# Altium PCB 200330 PI-CANTROLLER R0.PcbDoc (part 1 of 2)
Units mil, origin at the board's own origin, x right, y up, seen from the top; angles counter-clockwise.
Board outline 3205.83 x 2221.58 mil, 2 copper layers (Top Layer, Bottom Layer); 58 components, 40 nets, 206 pads, 78 vias.
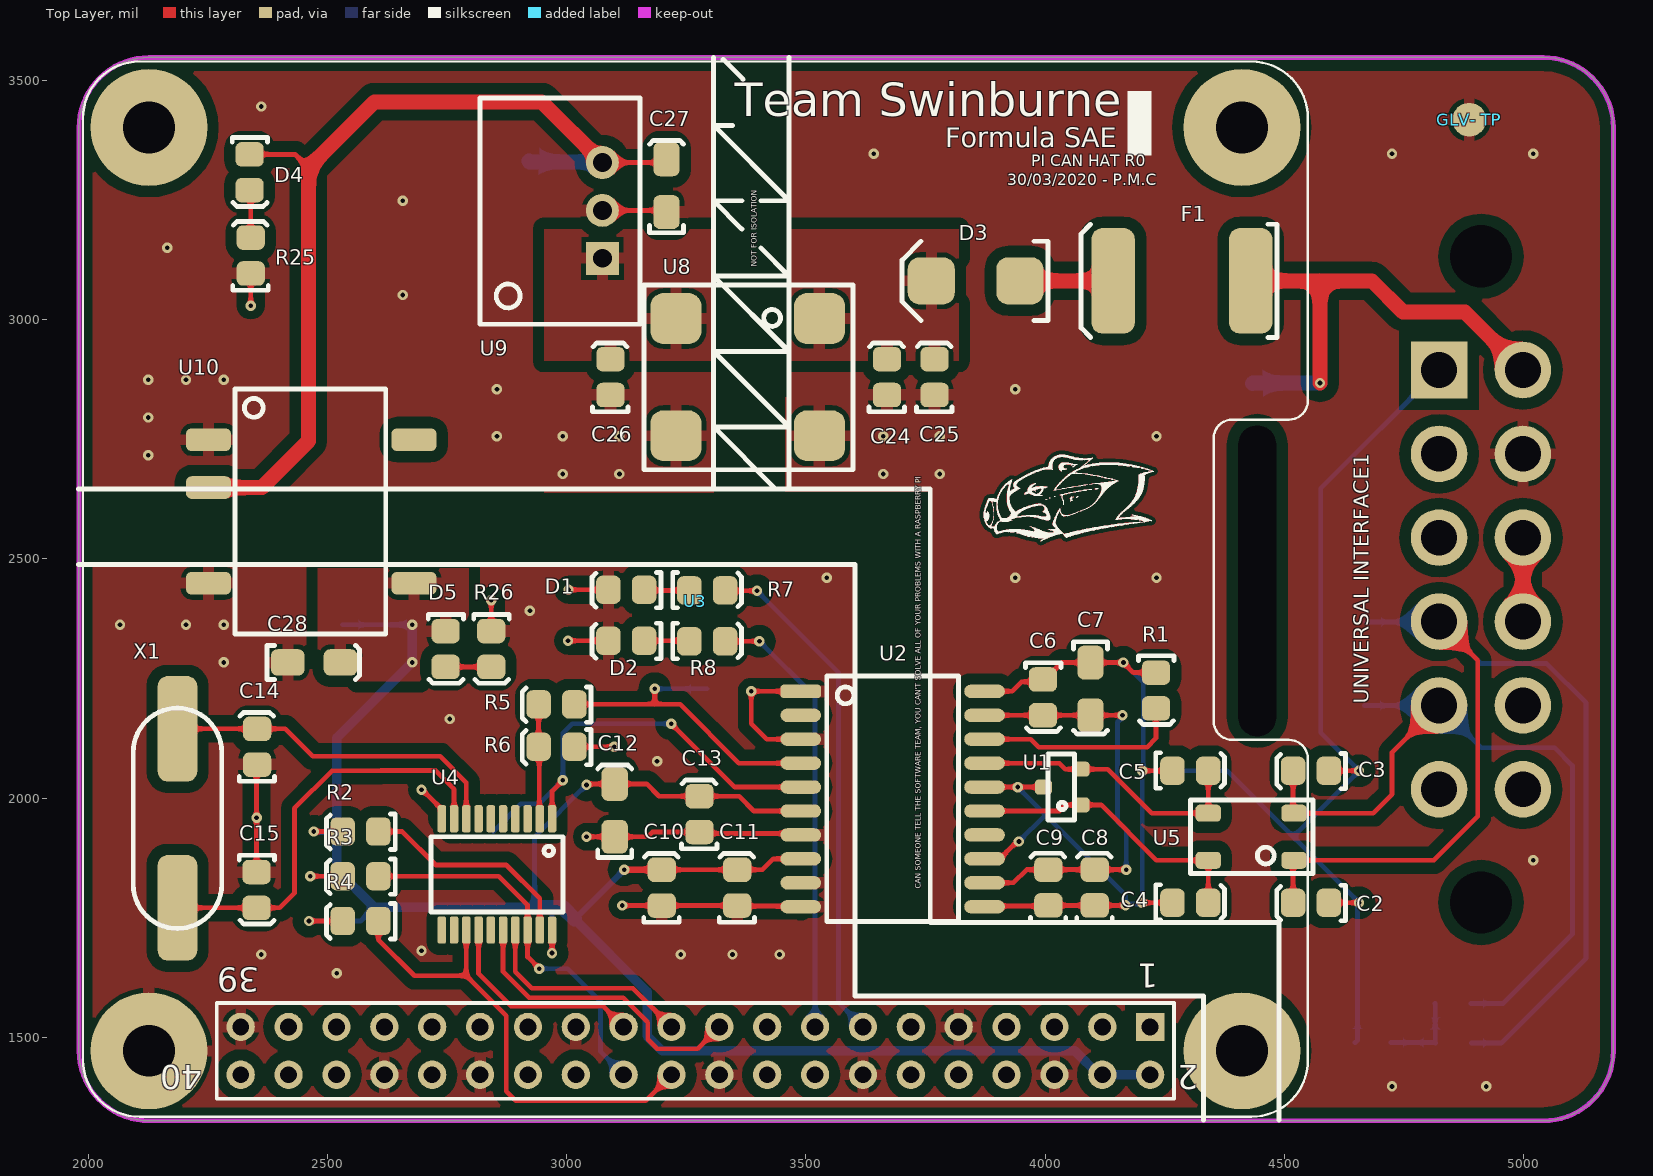
[diagram p0: Top Layer view]
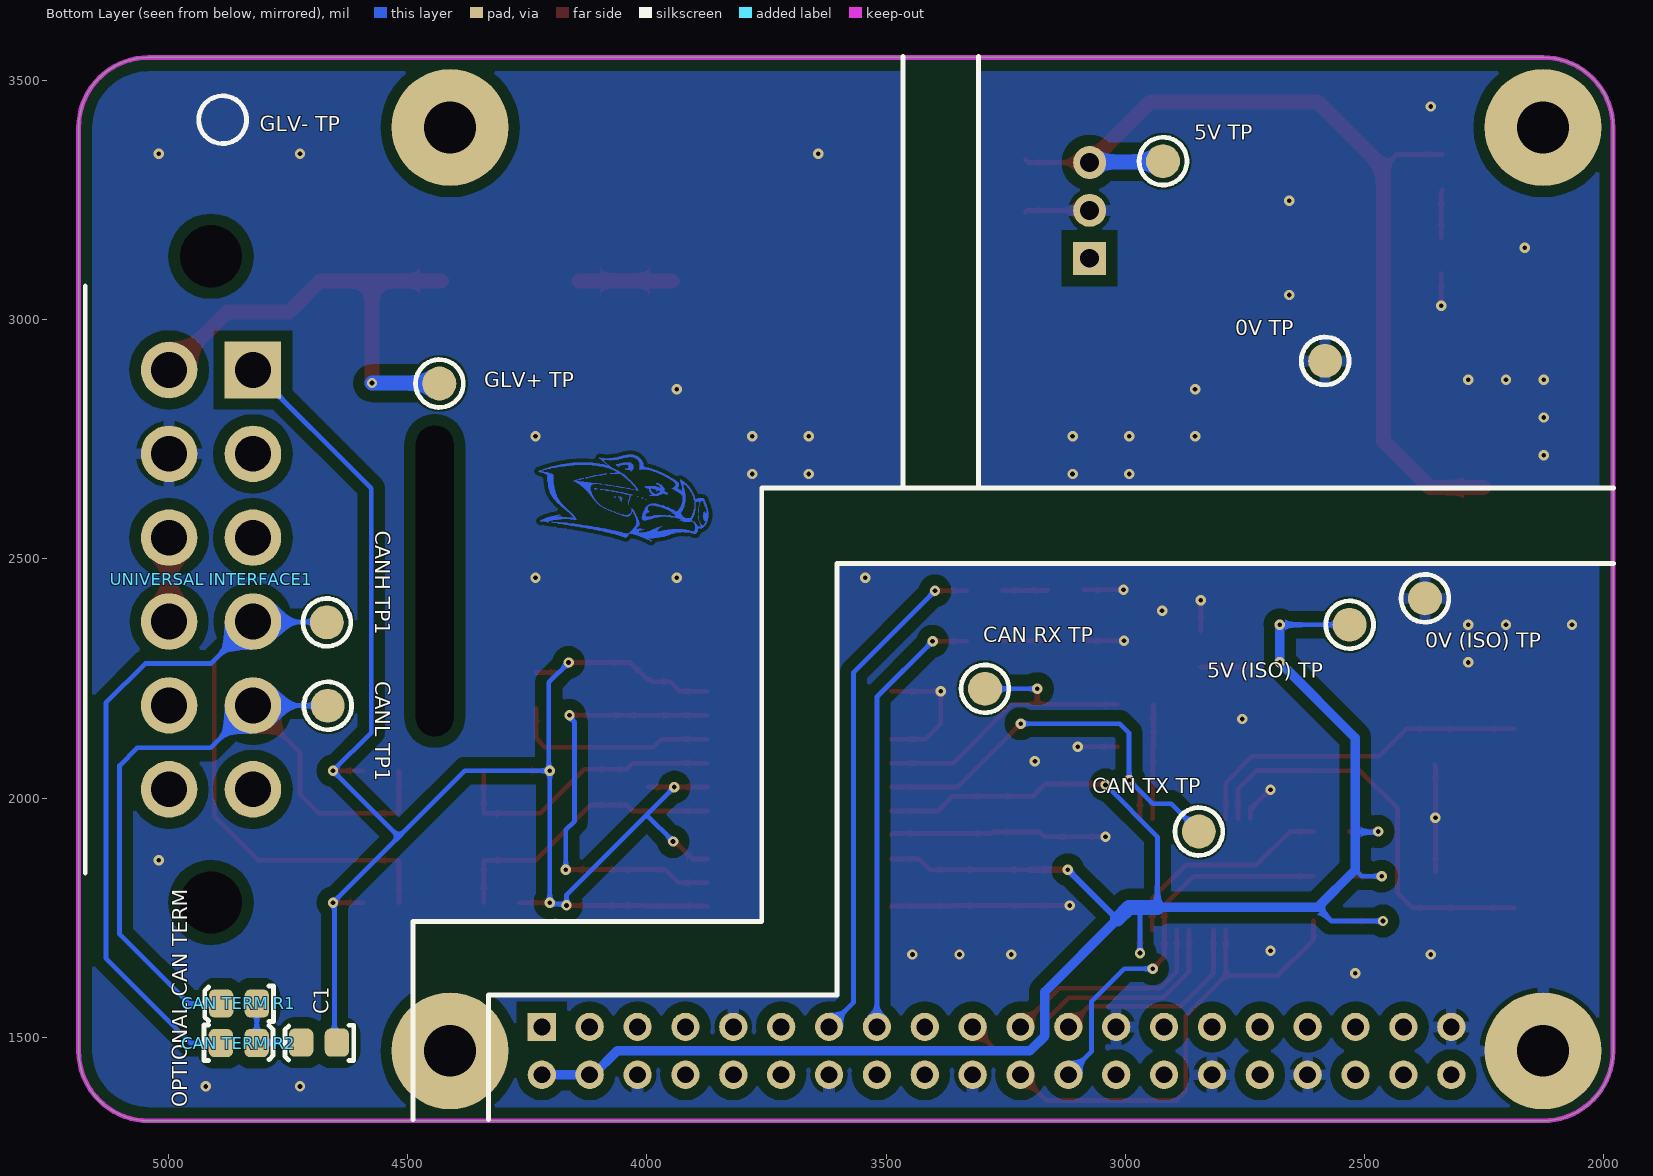
[diagram p1: Bottom Layer view, seen from below]

## Layer stack, top to bottom
Top Solder: solder mask 0.4, Solder Resist, Dk 3.5
Top Layer: signal copper 1.4
Dielectric 1: dielectric 12.6, FR-4, Dk 4.8
Bottom Layer: signal copper 1.4
Bottom Solder: solder mask 0.4, Solder Resist, Dk 3.5

## Board outline
1981.12,1471.98 1981.12,3401.12 cw(c2127.34,3401.12) 2127.34,3547.34 5040.72,3547.34 cw(c5040.72,3401.12) 5186.95,3401.12 5186.95,1471.98 cw(c5040.72,1471.98) 5040.72,1325.76 2127.34,1325.76 cw(c2127.34,1471.98)

## Design rules (kind name [scope] priority, off if disabled: settings)
Clearance [All] p1: gap=10 ignorepadtopadclearanceinfootprint=FALSE except(0: Arc-Hole Track-Hole SMDPad-Hole THPad-Hole Via-Hole Fill-Hole Poly-Hole Region-Hole Text-Hole; 3.94: THPad-THPad; 6: Arc-SMDPad Track-SMDPad SMDPad-SMDPad; 7.87: Arc-THPad Track-THPad SMDPad-THPad THPad-Via; 8: Arc-Arc Arc-Track Arc-Region Track-Track Track-Region SMDPad-Region THPad-Region Via-Region Fill-Region Poly-Region Region-Region; 23.62: Arc-Poly Track-Poly SMDPad-Poly THPad-Poly Via-Poly Fill-Poly Poly-Poly)
Height [All] p1: minheight=0 maxheight=1968.5 prefheight=500
HoleSize [All] p1: absolutevalues=TRUE maxlimit=393.7 minlimit=1 maxpercent=80.000 minpercent=20.000
PlaneClearance [All] p1: clearance=15.75
PlaneConnect [All] p1: pad.planeconnectstyle=Relief pad.reliefexpansion=20 pad.reliefentries=4 pad.reliefconductorwidth=31.5 pad.reliefairgap=10 via.planeconnectstyle=Direct via.reliefexpansion=20 via.reliefentries=4 via.reliefconductorwidth=31.5 via.reliefairgap=10
PolygonConnect [All] p1: thpad.connectstyle=Relief thpad.reliefconductorwidth=23.62 thpad.reliefentries=4 thpad.polygonreliefangle="90 Angle" thpad.airgapwidth=10 smdpad.connectstyle=Relief smdpad.reliefconductorwidth=23.62 smdpad.reliefentries=4 smdpad.polygonreliefangle="90 Angle" smdpad.airgapwidth=10 via.connectstyle=Direct via.reliefconductorwidth=23.62 via.reliefentries=4 via.polygonreliefangle="90 Angle" via.airgapwidth=10
RoutingVias [All] p1: holewidth=28 width=50 viastyle="Through Hole" minholewidth=8 minwidth=10 maxholewidth=28 maxwidth=50
SolderMaskExpansion [All] p1: expansion=2
Width [All] p1: maxlimit=118.11 minlimit=5 preferedwidth=19.68
26 further rules are at their usual default settings.

## Classes and differential pairs
component class "U_SPI-CAN Converter": C14 C15 R2 R3 R4 R5 R6 U4 X1
component class "U_Power Supply": "0V (ISO) TP" "0V TP" "5V (ISO) TP" "5V TP" C24 C25 C26 C27 C28 D3 D4 D5 F1 "GLV+ TP" "GLV- TP" R25 R26 U8 U9 U10
component class U_Microcomputer: D1 D2 R7 R8 U3
component class U_CAN: C1 C2 C3 C4 C5 C6 C7 C8 C9 C10 C11 C12 C13 "CAN RX TP" "CAN TERM R1" "CAN TERM R2" "CAN TX TP" "CANH TP1" "CANL TP1" R1 U1 U2 U5
component class "Top Level": "UNIVERSAL INTERFACE1"

## Components (designator, comment, footprint, x,y, rotation, side; value= is the part's Value field where it differs from the comment)
"0V (ISO) TP" "0mm" "SMD Test Point"#1 2374.02,2417.32 r90 bottom
"0V TP" "0mm" "SMD Test Point"#1 2582.68,2913.39 r90 bottom
"5V (ISO) TP" "0mm" "SMD Test Point"#1 2531.5,2362.2 r90 bottom
"5V TP" "0mm" "SMD Test Point"#1 2921.26,3330.71 r90 bottom
C1 "22pF" 0805 4685.04,1488.19 r0 bottom
C2 "100pF" 0805 4554.64,1780.46 r180 top
C3 "100pF" 0805 4554.64,2056.06 r180 top
C4 "100pF" 0805 4303.62,1782.53 r0 top
C5 "100pF" 0805 4303.62,2058.12 r0 top
C6 "100nF" 0805 3996.06,2209.96 r270 top
C7 "10nF" 1206 4094.49,2180.91 r270 top
C8 "10uF" 0805 4102.36,1813.66 r90 top
C9 "100nF" 0805 4005.39,1813.66 r90 top
C10 "10uF" 0805 3197.79,1813.47 r90 top
C11 "100nF" 0805 3355.27,1813.47 r90 top
C12 "10nF" 1206 3100.39,2021.65 r90 top
C13 "100nF" 0805 3276.53,1967.01 r90 top
C14 "22pF" 0805 2352.36,2107.88 r90 top
C15 "22pF" 0805 2353.19,1807.71 r270 top
C24 "10uF" 0805 3668.26,2880.09 r90 top
C25 "10uF" 0805 3767.72,2880.09 r90 top
C26 "10uF" 0805 3090.55,2880.09 r90 top
C27 "22uF" 1206 3208.66,3326.77 r90 top
C28 "22uF" 1206 2519.68,2283.46 r0 top
"CAN RX TP" "0mm" "SMD Test Point"#1 3293.31,2228.35 r90 bottom
"CAN TERM R1" "56R" 0805 4852.36,1569.88 r0 bottom
"CAN TERM R2" "56R" 0805 4851.89,1489.22 r180 bottom
"CAN TX TP" "0mm" "SMD Test Point"#1 2846.46,1930.12 r90 bottom
"CANH TP1" "0mm" "SMD Test Point"#1 4668.31,2367.13 r90 bottom
"CANL TP1" "0mm" "SMD Test Point"#1 4666.34,2192.91 r90 bottom
D1 "Blue" "0805 LED" 3124.02,2434.21 r180 top
D2 "Blue" "0805 LED" 3124.02,2327.76 r180 top
D3 "SD560BTR" "SMB Diode" 3937.01,3080.71 r180 top
D4 "Red" "0805 LED" 2338.58,3307.09 r270 top
D5 "Red" "0805 LED" 2748.08,2311.02 r270 top
F1 "0ZCF0100AF2A" 2920 4429.13,3080.71 r180 top
"GLV+ TP" "0mm" "SMD Test Point"#1 4433.07,2866.14 r90 bottom
"GLV- TP" "0mm" "SMD Test Point"#2 4885.83,3417.32 r90 bottom
R1 "0R" 0805 4232.28,2224.41 r270 top
R2 "4.7k" 0805 2568.9,1929.13 r180 top
R3 "4.7k" 0805 2568.9,1835.63 r180 top
R4 "4.7k" 0805 2568.9,1742.13 r180 top
R5 "10k" 0805 2978.27,2194.88 r180 top
R6 "22k" 0805 2978.27,2106.18 r180 top
R7 "680R" 0805 3294.29,2435.04 r0 top
R8 "680R" 0805 3294.29,2328.58 r0 top
R25 "680R" 0805 2338.94,3133.94 r90 top
R26 "510R" 0805 2843.5,2311.02 r270 top
U1 "NUP2105L" "ON SOT-23" 4035.43,2023.03 r90 top
U2 "ADM3053" "AD SOIC-W 20" 3681.1,1998.03 r270 top
U3 "Raspberry Pi 3B+" "Raspberry Pi 3B+" 3111.59,2416.87 r180 top locked
U4 "MCP2515T-I/ST" "MCP 20-TSSOP" 2854.33,1840.55 r180 top
U5 "B82787C0104H002" "TDK 4-PC Pad" 4519.69,1870.08 r180 top
U8 "744272121" "Wurth 4-PC Pad" 3228.35,2757.09 r0 top
U9 "R-78C5.0-1.0" "RECOM 3-SIP" 3074.61,3127.87 r90 top
U10 "R2S-0505/HP" "RECOM 8-SMD (5 Pin)" 2464.37,2598.82 r270 top
"UNIVERSAL INTERFACE1" "DTF13-12P" DTF13-12P 4997.83,2456.89 r270 bottom
X1 "Value" "Abracon HC-49/US" 2186.89,1957.8 r270 top

## Footprints (in the part's own frame and the unit in brackets; to place one, negate y for a bottom-side part, rotate by r counter-clockwise, add the part's x,y. Pads: shape width x height; smd on the part's side, far side on the other; paste and mask are expansions set on the pad)
0805 [mil]
  rrect50% 51.18x59.06 smd: 1(-37.87,-1.03) 2(36.93,-1.03)
  silkscreen extent -73,-37 71,37, body extent -39,-26 39,26, height 29
"0805 LED" [mil]
  rrect50% 51.18x59.06 smd: A(-37.87,-1.03) K(36.93,-1.03)
  silkscreen extent -73,-37 71,37, body extent -43,-25 35,25, height 39
1206 [mm]
  rrect50% 1.8x1.4 smd: 1(-2.6,0) 2(0.2,0)
  silkscreen extent -3.7,-0.9 1.2,0.9, body extent -2.9,-0.9 0.5,0.9, height 1.85
2920 [mm]
  rrect50% 2.3x5.6 smd: 1(0,0) 2(7.3,0)
  silkscreen extent -1.4,-3 9,3, body extent -0.34,-2.81 7.64,2.81, height 1.14
"Abracon HC-49/US" [mm]
  rrect50% 5.6x2.1 smd: 1(-4.75,0) 2(4.75,0)
  silkscreen extent -5.85,-2.35 5.85,2.35, body extent -6.35,-2.35 6.35,2.35, height 4.06
"AD SOIC-W 20" [mil]
  rrect50% 28x85 smd: 1(-225,-192.02)
  oval 28x85 smd: 2(-175,-192.02) 3(-125,-192.02) 4(-75,-192.02) 5(-25,-192.02) 6(25,-192.02) 7(75,-192.02) 8(125,-192.02) 9(175,-192.02) 10(225,-192.02) 11(225,192.02) 12(175,191.98) 13(125,191.98) 14(75,191.98) 15(25,191.98) 16(-25,191.98) 17(-75,191.98) 18(-125,191.98) 19(-175,191.98) 20(-225,191.98)
  silkscreen extent -257,-138 256,138, body extent -260,-210 260,210, height 105
DTF13-12P [mm]
  round 3 hole 3.3 unplated: 0(-17.145,2.22) 0(17.145,2.22)
  rect 3x3 hole 1.9: 1(-11.114,4.45)
  round 3 hole 1.9: 2(-6.664,4.45) 3(-2.214,4.45) 4(2.236,4.45) 5(6.686,4.45) 6(11.136,4.45) 7(11.136,0) 8(6.686,0) 9(2.236,0) 10(-2.214,0) 11(-6.664,0) 12(-11.114,0)
  silkscreen extent -15.56,-4.45 15.59,-4.45, body extent -20.79,-27.74 20.79,6.55, height 26.13
"MCP 20-TSSOP" [mm]
  rrect50% 0.45x1.45 smd mask+0.05: 1(-2.925,-2.95) 2(-2.275,-2.95) 3(-1.625,-2.95) 4(-0.975,-2.95) 5(-0.325,-2.95) 6(0.325,-2.95) 7(0.975,-2.95) 8(1.625,-2.95) 9(2.275,-2.95) 10(2.925,-2.95) 11(2.925,2.95) 12(2.275,2.95) 13(1.625,2.95) 14(0.975,2.95) 15(0.325,2.95) 16(-0.325,2.95) 17(-0.975,2.95) 18(-1.625,2.95) 19(-2.275,2.95) 20(-2.925,2.95)
  silkscreen extent -3.5,-2 3.5,2, body extent -3.3,-3.2 3.3,3.2, height 1.2
"ON SOT-23" [mm] "NUP2105L"
  rrect50% 0.8x0.9 smd: 1(-0.95,-1) 2(0.95,-1) 3(0,1)
  silkscreen extent -1.75,-0.65 1.75,0.75, body extent -1.5,-1.27 1.5,1.28, height 1
"Raspberry Pi 3B+" [mm]
  round 6.2 hole 2.75 unplated: 0(-33,24) 0(-33,-25) 0(25,-25)
  round 6.2 hole 2.75: 0(25,24)
  rect 1.5x1.5 hole 0.9: 1(-28.13,22.73)
  round 1.5 hole 0.9: 2(-28.13,25.27) 3(-25.59,22.73) 4(-25.59,25.27) 5(-23.05,22.73) 6(-23.05,25.27) 7(-20.51,22.73) 8(-20.51,25.27) 9(-17.97,22.73) 10(-17.97,25.27) 11(-15.43,22.73) 12(-15.43,25.27) 13(-12.89,22.73) 14(-12.89,25.27) 15(-10.35,22.73) 16(-10.35,25.27) 17(-7.81,22.73) 18(-7.81,25.27) 19(-5.27,22.73) 20(-5.27,25.27) 21(-2.73,22.73) 22(-2.73,25.27) 23(-0.19,22.73) 24(-0.19,25.27) 25(2.35,22.73) 26(2.35,25.27) 27(4.89,22.73) 28(4.89,25.27) 29(7.43,22.73) 30(7.43,25.27) 31(9.97,22.73) 32(9.97,25.27) 33(12.51,22.73) 34(12.51,25.27) 35(15.05,22.73) 36(15.05,25.27) 37(17.59,22.73) 38(17.59,25.27) 39(20.13,22.73) 40(20.13,25.27)
  silkscreen extent -36.5,-28.5 28.5,27.5, body extent -36.48,-31 50.52,27.5, height 8.5
"RECOM 3-SIP" [mm] "12 to 42 Vdc In, 9 Vdc Out"
  rect 1.75x1.75 hole 1: 1(0,0)
  round 1.75 hole 1: 2(2.54,0) 3(5.08,0)
  silkscreen extent -3.5,-2 8.5,6.5, body extent -3.26,-2.02 8.34,6.48, height 11.41
"RECOM 8-SMD (5 Pin)" [mm]
  rrect50% 1.2x2.4 smd: 1(-3.81,-5.4) 2(-1.27,-5.4) 4(3.81,-5.4) 5(3.81,5.5) 8(-3.81,5.5)
  silkscreen extent -6.5,-4 6.5,4, body extent -6.37,-5.55 6.38,5.55, height 9.2
"SMB Diode" [mm]
  rrect50% 2.5x2.5 smd: A(-0.25,0) K(4.45,0)
  silkscreen extent -1.75,-2.1 6,2.1, body extent -0.69,-1.97 4.9,1.97, height 2.5
"SMD Test Point"#1 [mm]
  round 1.8 smd: 1(0,0)
  silkscreen extent -1.27,-1.27 1.27,1.27
"SMD Test Point"#2 [mm]
  round 1.8 smd far side: 1(0,0)
  silkscreen extent -1.27,-1.27 1.27,1.27
"TDK 4-PC Pad" [mm]
  rrect50% 1.35x0.9 smd: 1(0,0) 2(0,-2.5) 3(4.55,-2.5) 4(4.55,0)
  silkscreen extent -1,-3.2 5.5,0.7, body extent -0.02,-2.82 4.48,0.38, height 2.8
"Wurth 4-PC Pad" [mm]
  rrect50% 2.7x2.7 smd: 1(7.62,6.22) 2(0,6.22) 3(0,0) 4(7.62,0)
  silkscreen extent -1.7,-1.8 9.4,8, body extent -1.19,-1.24 8.81,7.46, height 6.2

## Part data
"0V (ISO) TP" "0V TP" "5V (ISO) TP" "5V TP" "CAN RX TP" "CAN TX TP" "CANH TP1" "CANL TP1" "GLV+ TP" "GLV- TP": library part "SMD Test Point", Angle=0, Contact=NA, Flange=No, Part Number="SMD Test Point", Pitch=0mm, Positions=1, Row Spacing=0
C1: library part GCM21B5C1H220JA37L, Manufacturer=muRata, Rated Voltage=50V, Tolerance=5%, Material=C0G, Part Number=GCM21B5C1H220JA37L
C2 C3 C4 C5: library part GCM21B5C1H101JA37L, Manufacturer=muRata, Rated Voltage=50V, Tolerance=5%, Material=C0G, Part Number=GCM21B5C1H101JA37L
C6 C9 C11 C13: library part GCM21BR71E104KA37L, Manufacturer=muRata, Rated Voltage=25V, Tolerance=10%, Material=X7R, Part Number=GCM21BR71E104KA37L
C7 C12: library part GCM3195C2A103JA16D, Digikey Part Number=490-4978-2-ND, Manufacturer=muRata, Rated Voltage=100V, Tolerance=5%, Material=Ceramic, Part Number=GCM3195C2A103JA16D
C8 C10 C24 C25 C26: library part GRM21BR6YA106KE43L, Digikey Part Number=490-10514-6-ND, Manufacturer=muRata, Rated Voltage=50V, Tolerance=10%, Material=X5R, Part Number=GRM21BR6YA106KE43L
C14 C15: library part GRM21A5C2E220JW01D, Digikey Part Number=490-5534-1-ND, Manufacturer=muRata, Rated Voltage=250V, Tolerance=±5%, Material="C0G, NP0", Part Number=GRM21A5C2E220JW01D
C27 C28: library part CC1206MKX5R7BB226, Digikey Part Number=311-1997-2-ND, Manufacturer=YAGEO, Rated Voltage=16V, Tolerance=20%, Material=Ceramic, Part Number=CC1206MKX5R7BB226
"CAN TERM R1" "CAN TERM R2": library part RC0805FR0756RL, Manufacturer=YAGEO, Rated Voltage=0.125W, Tolerance=0.01, Material=FR-07, Part Number=RC0805FR0756RL
D1 D2: library part SML-MN2BCTT86C, "LED BLUE CLEAR 2012 SMD", Digikey Part Number=846-1207-1-ND, Manufacturer="ROHM Semiconductor", Colour=Blue, Digikey Link=https://www.digikey.com/product-detail/en/rohm-semiconductor/SMLMN2BCTT86C/846-1207-1-ND/6057239, Part Number=SML-MN2BCTT86C
D3: "1.2V_F 600V 5A SMB", Digikey Part Number=1655-1530-2-ND, Manufacturer="SMC Diode Solutions", Digikey Link=https://www.digikey.com/product-detail/en/smc-diode-solutions/SD560BTR/1655-1530-2-ND/6022620, Part Number=SD560BTR
D4 D5: library part SML-210LTT86, "Red LED Indication - Discrete 1.75V 0805 (2012 Metric)", Digikey Part Number=511-1286-1-ND, Manufacturer="ROHM Semiconductor", Colour=Red, Digikey Link=https://www.digikey.com/product-detail/en/rohm-semiconductor/SML-210LTT86/511-1286-1-ND/637099, Part Number=SML-210LTT86
F1: "PTC RESET FUSE 60V 1A 292", Digikey Part Number=507-2070-1-ND, Manufacturer="Littelfuse Inc.", Digikey Link=https://www.digikey.com/product-detail/en/bel-fuse-inc/0ZCF0100AF2A/507-2070-1-ND/6210547, Part Number=0ZCF0100AF2A
R1: library part RC0805FR070RL, Manufacturer=YAGEO, Rated Voltage=0.125W, Tolerance=0.01, Material=FR-07, Part Number=RC0805FR070RL
R2 R3 R4: library part RC0805FR074K7L, Digikey Part Number=311-4.70KCRCT-ND, Manufacturer=YAGEO, Rated Voltage=0.125W, Tolerance=0.01, Material=FR-07, Part Number=RC0805FR074K7L
R5: library part RC0805FR0710KL, Digikey Part Number=311-10.0KCRCT-ND, Manufacturer=YAGEO, Rated Voltage=0.125W, Tolerance=0.01, Material=FR-07, Part Number=RC0805FR0710KL
R6: library part RC0805FR0722KL, Digikey Part Number=311-22.0KCRCT-ND, Manufacturer=YAGEO, Rated Voltage=0.125W, Tolerance=0.01, Material=FR-07, Part Number=RC0805FR0722KL
R7 R8: library part RC0805FR07680RL, Digikey Part Number=311-680CRCT-ND, Manufacturer=YAGEO, Rated Voltage=0.125W, Tolerance=0.01, Material=FR-07, Part Number=RC0805FR07680RL
R25: library part RC0805FR07680RL, Manufacturer=YAGEO, Rated Voltage=0.125W, Tolerance=0.01, Material=FR-07, Part Number=RC0805FR07680RL
R26: library part RC0805FR07510RL, Manufacturer=YAGEO, Rated Voltage=0.125W, Tolerance=0.01, Material=FR-07, Part Number=RC0805FR07510RL
U1: "Dual Line CAN Bus Protector", Digikey Part Number=NUP2105LT1GOSCT-ND, Manufacturer="ON Semiconductor", Digikey Link=https://www.digikey.com/product-detail/en/on-semiconductor/NUP2105LT1G/NUP2105LT1GOSCT-ND/1485001, Part Number=NUP2105L
U2: "Isolated CAN Transceiver", Digikey Part Number=ADM3053BRWZ-ND, Manufacturer="Analogue Devices", Digikey Link=https://www.digikey.com/product-detail/en/analog-devices-inc/ADM3053BRWZ/ADM3053BRWZ-ND/2709332, Part Number=ADM3053
U3: "1.4GHz 64-bit quad-core processor, dual-band wireless LAN, Bluetooth 4.2/BLE, faster Ethernet, and Power-over-Ethernet support (with separate PoE HAT)", Link=https://www.raspberrypi.org/products/raspberry-pi-3-model-b-plus/, Part Number="Raspberry Pi 3B+"
U4: "CANbus Controller CAN 2.0 SPI Interface 20-TSSOP", Digikey Part Number=MCP2515T-I/STCT-ND, Manufacturer="Microchip Technology", Digikey Link=https://www.digikey.com/product-detail/en/microchip-technology/MCP2515T-I-ST/MCP2515T-I-STCT-ND/4307903, Part Number=MCP2515T-I/ST
U5: "100µH @ 100kHz 2 Line Common Mode Choke Surface Mount 5.8 kOhms @ 10MHz 150mA DCR 2Ohm", Digikey Part Number=495-4598-1-ND, Inductance="100µH @ 100kHz", Manufacturer="EPCOS (TDK)", Rated Current=150mA, Digikey Link=https://www.digikey.com/product-detail/en/epcos-tdk/B82787C0104H002/495-4598-2-ND/3680998, Impedence="5.8 kOhms @ 10MHz", Material=Wirewound, Part Number=B82787C0104H002
U8: "120µH @ 100kHz 2 Line Common Mode Choke Surface Mount 460 Ohms @ 30MHz 2.5A DCR 25mOhm", Digikey Part Number=732-1489-1-ND, Inductance="120uH @ 100kHz", Manufacturer="Wurth Electronics Inc", Rated Current=2.5A, Digikey Link=https://www.digikey.com/product-detail/en/w-rth-elektronik/744272121/732-1489-1-ND/1639501, Impedence="460 Ohms @ 30MHz", Material=Wirewound, Part Number=744272121
U9: "CONV DC/DC 1A 5V OUT SIP VERT", Digikey Part Number=945-1395-5-ND, Manufacturer=Recom, Digikey Link=https://www.digikey.com.au/product-detail/en/recom-power/R-78C5.0-1.0/945-1395-5-ND/2652148, Isolation=Non-Isolated, Part Number=R-78C5.0-1.0
U10: "Isolated Module DC DC Converter 1 Output 3.3V 606mA 4.5V - 5.5V Input", Digikey Part Number=945-1764-5-ND, Input Voltage=4.5V-5.5V, Manufacturer=Recom, Output Power=2W, Output Voltage=5V, Digikey Link=https://www.digikey.com/product-detail/en/recom-power/R2S-0505-HP/945-1764-5-ND/2302761, Efficiency=0.85, Isolation=Isolated, Part Number=R2S-0505/HP
"UNIVERSAL INTERFACE1": library part DTF13-12P[[/\]]DTF13-12P, Digikey Part Number=1734-1861-ND, Angle=90, Contact=Nickel, Digikey Link=https://www.digikey.com/product-detail/en/te-connectivity-deutsch-connectors/DTF13-12PA/1734-1861-ND/9744662, Flange=Yes, Part Number=DTF13-12P, Pitch=4.45mm, Positions=12, Row Spacing=4.45mm
X1: library part ABLS-16.000MHZ-B4-T, Digikey Part Number=535-10226-1-ND, Load Capacitance=18pF, Manufacturer="Abracon LLC", Digikey Link=https://www.digikey.com/product-detail/en/abracon-llc/ABLS-16.000MHZ-B4-T/535-10226-1-ND/2184261, ESR=40R, Part Number=ABLS-16.000MHZ-B4-T

## Free pads (board coordinates)
  round 0 hole 78.74 slot 650 at 90 deg unplated: 0(4442.91,2453.74)

## Via types
v1: diameter 21.65, hole 9.84, Top Layer to Bottom Layer, tented both sides, 78 vias

## Nets (pads, with @x,y where several pads share a name; then routed paths per layer and width w, separated by ;. In a path a pad name is that pad's centre, name@x,y a point inside that pad or via, vN(x,y) a via of type N, cw(c..) or ccw(c..) an arc to the next point about the centre after c; other vN are vias at no path point)
0V: "0V TP.1" C26.1 C27.1 R25.1 U8.3 U9.2 U10.1 | length 202.6
  Top Layer w10: v1(2339.97,3028.94) R25.1@2339.97,3096.06 ; U9.2@3074.61,3227.87 3205.2,3227.87 C27.1@3208.66,3224.41
  other v1: 2992.13,2677.17 3110.24,2677.17 2125.98,2716.54 2854.33,2755.91 2992.13,2755.91 3110.24,2755.91 2125.98,2795.28 2854.33,2854.33 2125.98,2874.02 2204.72,2874.02 2283.46,2874.02 2657.48,3051.18 2165.35,3149.61 2657.48,3248.03 2362.2,3444.88
"0V (ISO)": "0V (ISO) TP.1" C10.1 C11.1 C12.1 C13.1 C14.1 C15.1 C28.1 D1.K D2.K R6.1 R26.1 U2.1 U2.3 U2.7 U2.9 U2.10 U3.0@2127.34,1471.98 U3.6 U3.9 U3.14 U3.20 U3.25 U3.30 U3.34 U3.39 U4.10 U10.4 | length 1735.2
  Top Layer w10: C15.1@2352.16,1845.59 v1(2352.16,1958.66) 2352.16,2068.77 C14.1@2353.39,2070 ; v1(2696.85,2017.72) 2697.83,2017.72 2739.17,1976.38 U4.10@2739.17,1956.69 ; R26.1@2842.47,2348.9 v1(2842.47,2413.34) ; v1(3002.91,2328.79) D2.K@3087.09,2328.79 ; v1(3003.73,2435.24) D1.K@3087.09,2435.24 ; R6.1@3016.14,2107.21 v1(3099.48,2107.21) ; v1(3041.34,1919.29) C12.1@3100.39,1919.29 3169.29,1919.29 3179.13,1929.13 C13.1@3277.56,1929.13 3280.61,1926.08 3486.03,1926.08 U2.7@3489.08,1923.03 ; v1(3116.14,1775.59) C10.1@3198.82,1775.59 C11.1@3356.3,1775.59 3357.58,1774.31 3487.8,1774.31 U2.10@3489.08,1773.03 ; U2.3@3489.08,2123.03 3418.31,2123.03 3385.83,2155.51 v1(3385.83,2223.03) U2.1@3489.08,2223.03
  other v1: 2519.68,1633.86 2362.2,1673.23 3238.19,1673.23 3346.46,1673.23 3444.88,1673.23 2696.85,1681.1 3188.98,2076.77 2755.91,2165.35 2283.46,2283.46 2066.93,2362.2 2204.72,2362.2 2283.46,2362.2 2923.23,2391.73 3543.31,2460.63
5kW: "UNIVERSAL INTERFACE1.8"
5V: "5V TP.1" C27.2 D4.A U9.3 U10.2 | length 1969.7
  Top Layer w10: D4.A@2337.55,3344.96 2432.6,3344.96 2460.63,3316.93 ; U9.3@3074.61,3327.87 3201.89,3327.87 C27.2@3208.66,3334.65
  Top Layer w31.5: U10.2@2251.77,2648.82 2363.39,2648.82 2460.63,2746.06 2460.63,3316.93 2598.43,3454.72 2947.76,3454.72 U9.3@3074.61,3327.87
  Bottom Layer w31.5: 2921.26,3330.71 2922.68,3329.29 3073.19,3329.29 U9.3@3074.61,3327.87
"5V (ISO)": "5V (ISO) TP.1" C10.2 C11.2 C12.2 C13.2 C28.2 D5.A R2.2 R3.2 R4.2 U2.6 U2.8 U3.2 U3.4 U4.20 U10.5 | length 4551.2
  Top Layer w10: v1(2461.66,1743.16) R4.2@2531.97,1743.16 ; v1(2464.52,1836.66) R3.2@2531.97,1836.66 ; v1(2471.5,1930.17) R2.2@2531.97,1930.17 ; v1(2969.49,1676.18) U4.20@2969.49,1724.41 ; v1(3041.34,2027.56) 3043.31,2029.53 C12.2@3100.39,2029.53 3167.32,2029.53 3192.92,2003.93 C13.2@3277.56,2003.93 3360.24,2003.93 3391.14,1973.03 U2.6@3489.08,1973.03 ; C10.2@3198.82,1850.39 C11.2@3356.3,1850.39 3408.94,1850.39 3431.58,1873.03 U2.8@3489.08,1873.03
  Top Layer w13: v1(3120.08,1850.39) C10.2@3198.82,1850.39
  Bottom Layer w10: v1(2461.66,1743.16) 2569.93,1743.16 2598.43,1771.65 ; v1(2464.52,1836.66) 2505.95,1836.66 2519.68,1850.39 ; v1(2471.5,1930.17) 2472.54,1929.13 2519.68,1929.13 ; 2531.5,2362.2 v1(2677.17,2362.2) ; 2933.07,1771.65 2933.07,1919.29 v1(3041.34,2027.56) ; v1(2969.49,1676.18) 2969.49,1770.67 2970.47,1771.65
  Bottom Layer w13: 3016.73,1747.05 v1(3120.08,1850.39)
  Bottom Layer w20: v1(2677.17,2362.2) v1(2677.17,2283.46) 2519.68,2125.98 2519.68,1929.13 2519.68,1850.39 2598.43,1771.65 2933.07,1771.65 ; 3016.73,1747.05 3168.28,1595.5 3168.28,1503.17 3199.66,1471.8 4061.8,1471.8 U3.4@4111.61,1421.98 ; U3.4@4119.07,1421.98 U3.2@4219.07,1421.98